# Altium PCB StEth32_V2.PcbDoc (part 1 of 2)
Units mm, origin at the board's own origin, x right, y up, seen from the top; angles counter-clockwise.
Board outline 75 x 50 mm, 2 copper layers (Top Layer, Bottom Layer), stack 1.571 mm thick; 111 components, 99 nets, 428 pads, 172 vias.
Unrouted connection lines stored in the file: 4.
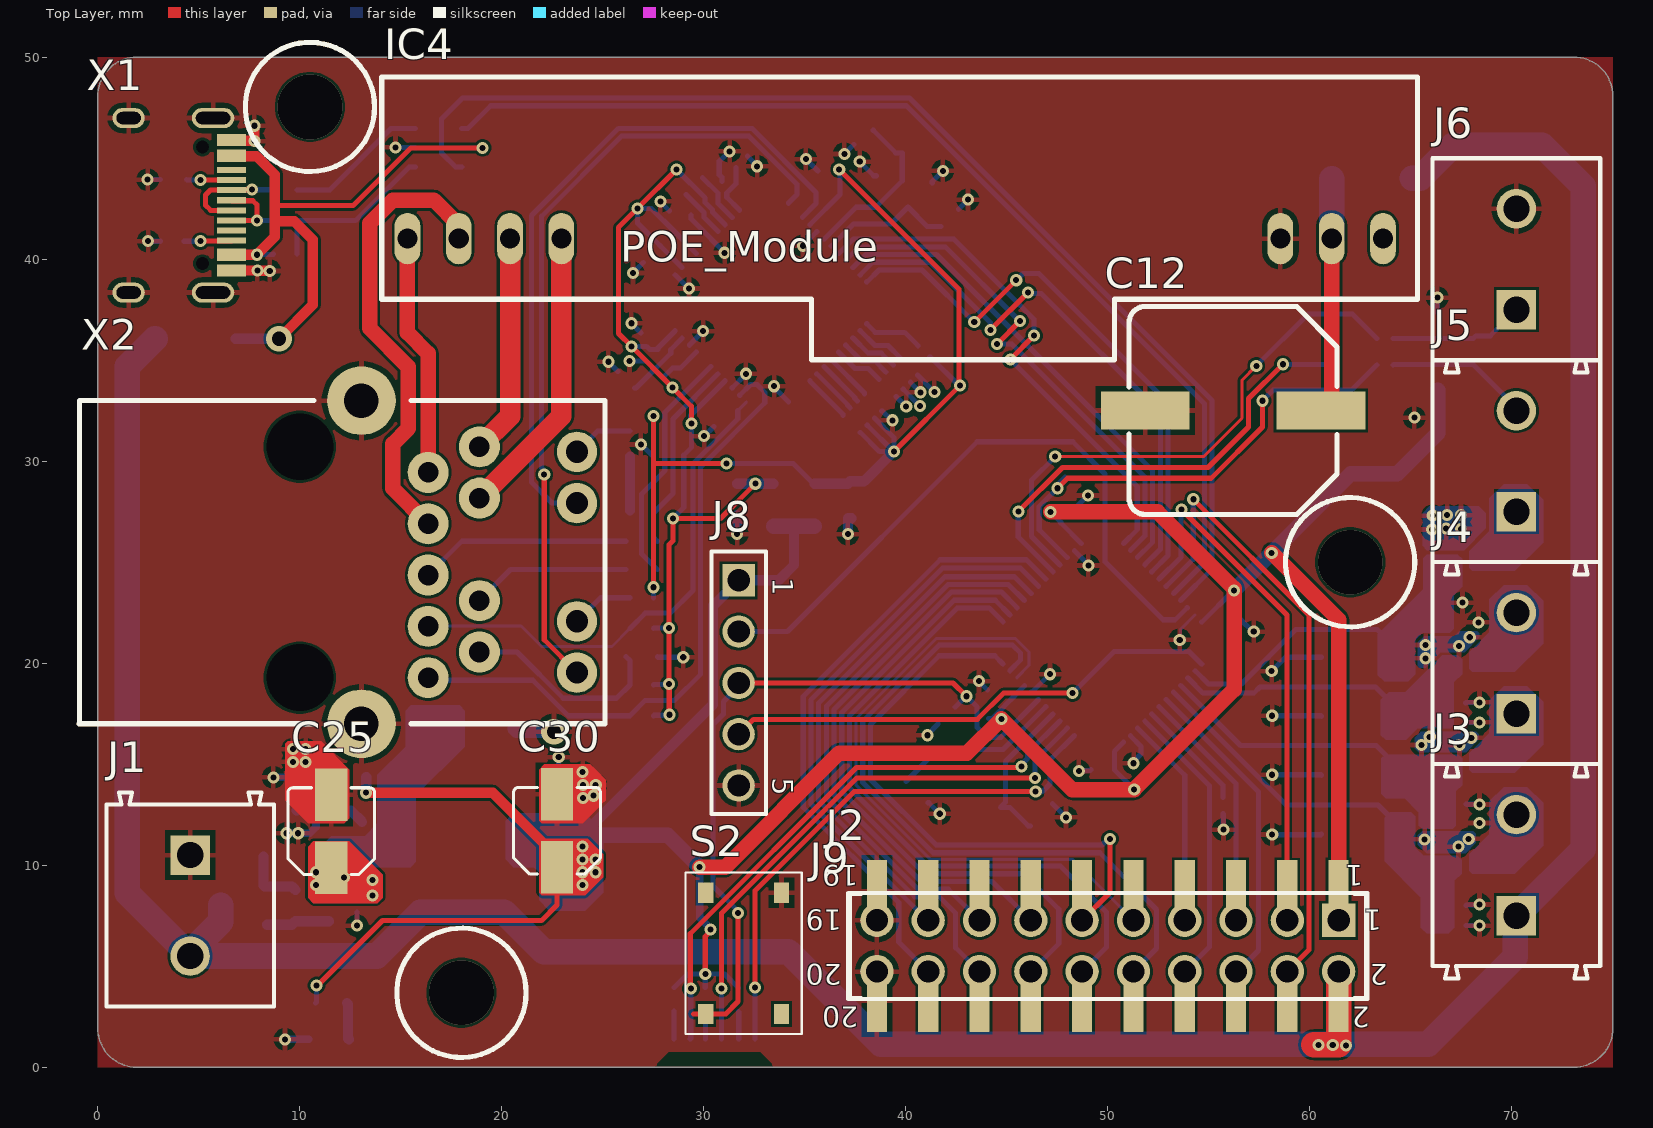
[diagram p0: Top Layer view]
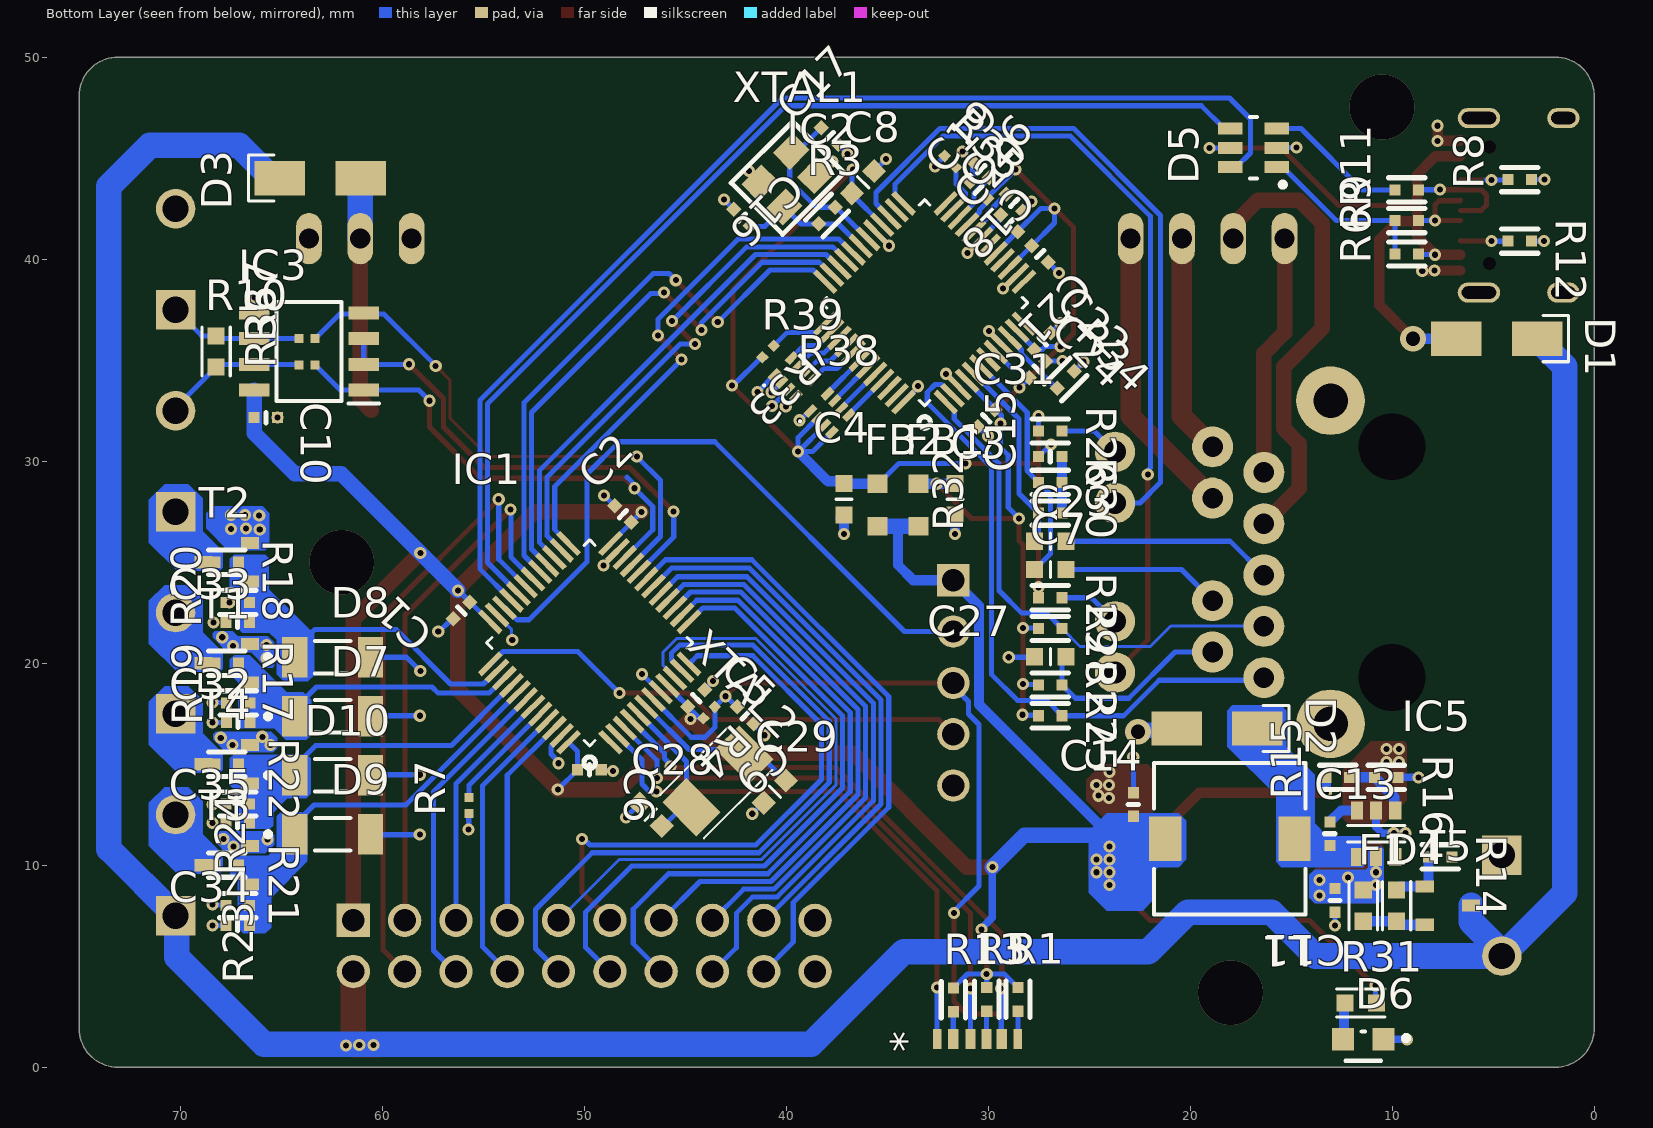
[diagram p1: Bottom Layer view, seen from below]
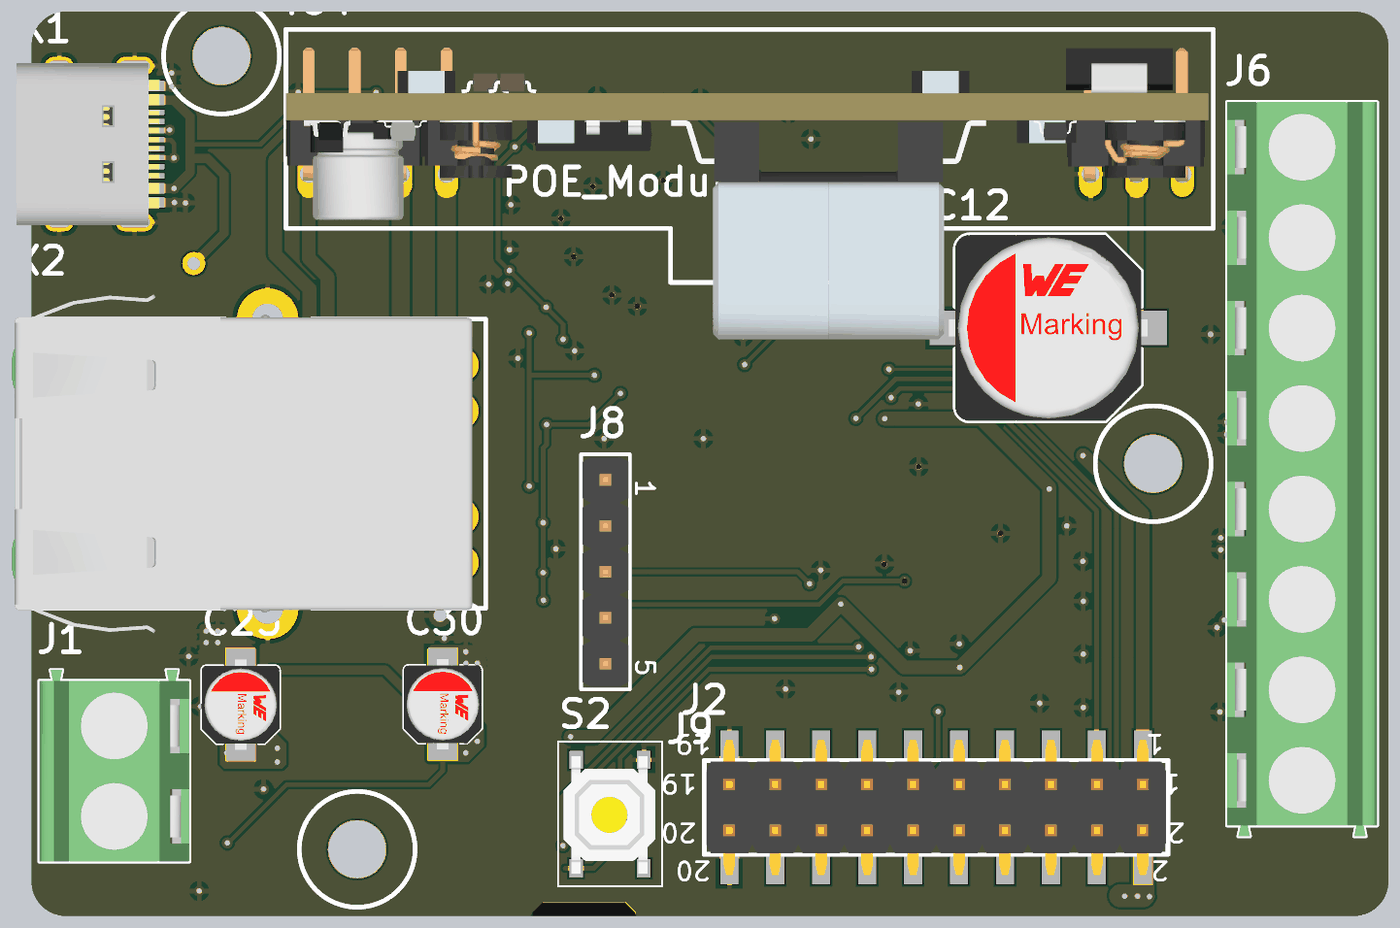
[diagram p3: 3D render of the assembled board from above, using the file's embedded part models]
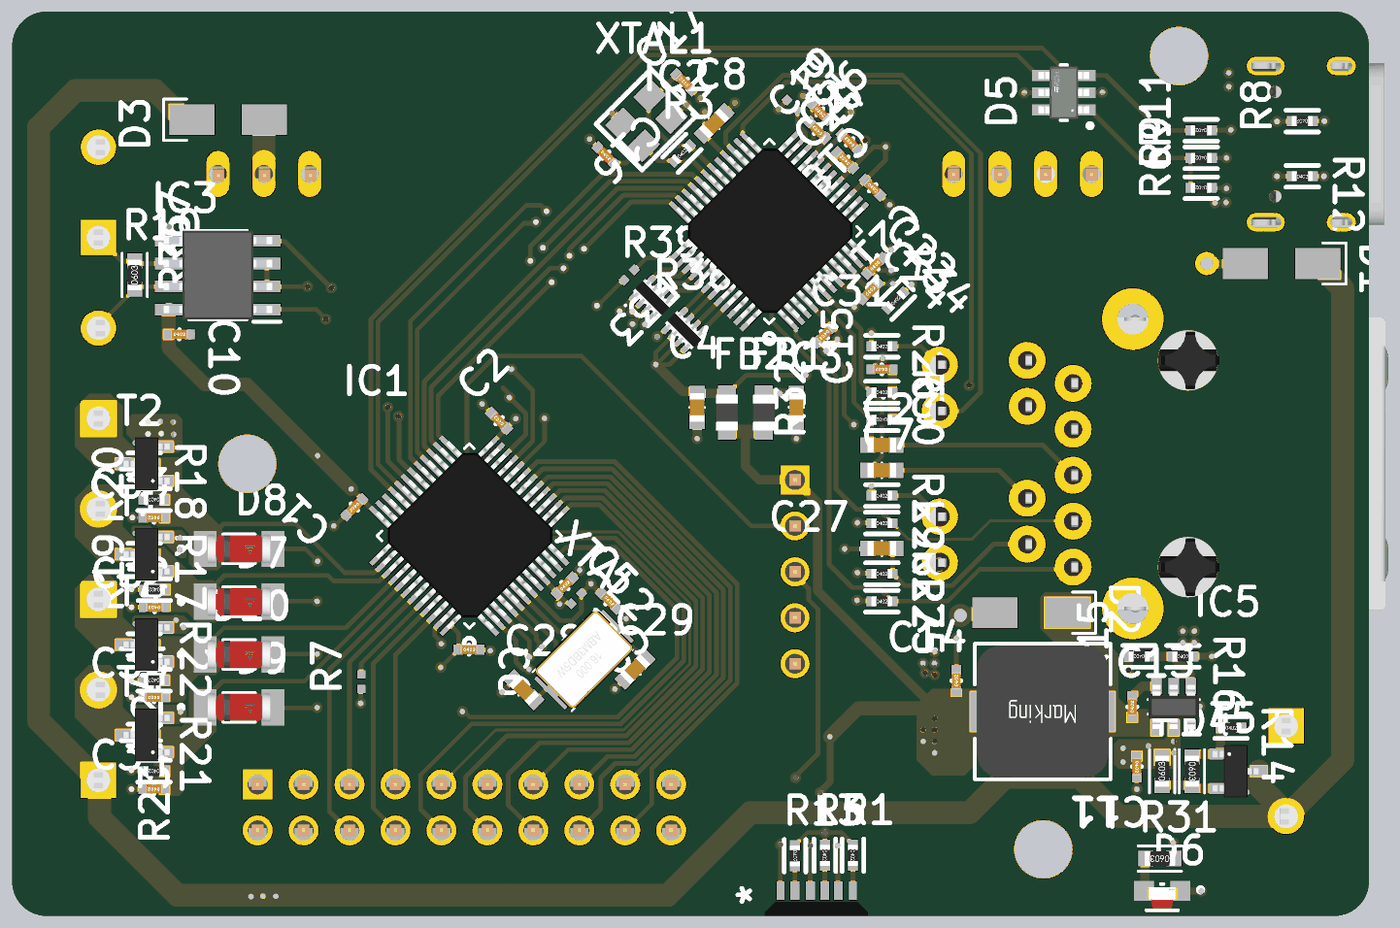
[diagram p4: 3D render of the assembled board from below, using the file's embedded part models]

## Layer stack, top to bottom
Top Solder: solder mask 0.0102, Solder Resist, Dk 3.5
Top Layer: signal copper 0.0356
Dielectric 1: dielectric 1.5, FR-4, Dk 4.8
Bottom Layer: signal copper 0.0356
Bottom Solder: solder mask 0.0102, Solder Resist, Dk 3.5

## Board outline
0,1.905 ccw(c1.905,1.905) 1.905,0 73.095,0 ccw(c73.095,1.905) 75,1.905 75,48.095 ccw(c73.095,48.095) 73.095,50 1.905,50 ccw(c1.905,48.095) 0,48.095

## Design rules (kind name [scope] priority, off if disabled: settings)
Clearance [All] p1: gap=0.127 ignorepadtopadclearanceinfootprint=TRUE except(0: Arc-Hole Track-Hole SMDPad-Hole THPad-Hole Via-Hole Fill-Hole Poly-Hole Region-Hole Text-Hole)
HoleSize [All] p1: absolutevalues=TRUE maxlimit=3.81 minlimit=0.025 maxpercent=80.000 minpercent=20.000
MinimumSolderMaskSliver [All] p1: minsoldermaskwidth=0.051
PolygonConnect [All] p1: connectstyle=Relief reliefconductorwidth=0.254 reliefentries=4 polygonreliefangle="90 Angle" airgapwidth=0.254
RoomDefinition StEth32_µC [InComponentClass('StEth32_µC')] p1: confinementstyle=ConfineIn formatcopy=TRUE lockcomponents=FALSE outline -42.037,-37.846 8.763,-37.846 8.763,-12.446 -42.037,-12.446
RoomDefinition StEth32_W5500 [InComponentClass('StEth32_W5500')] p2: confinementstyle=ConfineIn formatcopy=TRUE lockcomponents=FALSE outline -42.037,-37.846 8.763,-37.846 8.763,-12.446 -42.037,-12.446
RoomDefinition StEth32_Power [InComponentClass('StEth32_Power')] p3: confinementstyle=ConfineIn formatcopy=TRUE lockcomponents=FALSE outline -42.037,-37.846 8.763,-37.846 8.763,-12.446 -42.037,-12.446
RoutingVias [All] p1: holewidth=0.711 width=1.27 viastyle="Through Hole" minholewidth=0.711 minwidth=1.27 maxholewidth=0.711 maxwidth=1.27
SilkToSilkClearance [All] p1: silktosilkclearance=0.127
SilkToSolderMaskClearance [IsPad] p1: minsilkscreentomaskgap=0.025 clearancetoexposedcopper=TRUE
SolderMaskExpansion [All] p1: expansion=0.051 istentingtop=FALSE
Width [All] p1: maxlimit=1.27 minlimit=0.152 preferedwidth=0.254 minimp=50.000000 maximp=50.000000 favimp=50.000000
26 further rules are at their usual default settings.

## Classes and differential pairs
component class StEth32_µC: * C1 C2 C5 C6 C9 C10 C28 C29 D5 IC1 IC3 J8 LED1 R1 R4 R5 R6 R7 R8 R9 R11 R12 R13 R36 R37 S2 X1 XTAL2
component class StEth32_W5500: C3 C4 C7 C8 C12 C15 C16 C17 C18 C19 C20 C21 C22 C23 C24 C26 C27 C31 FB1 FB2 IC2 IC4 R3 R25 R26 R27 R28 R29 R30 R32 R33 R34 R35 R38 R39 X2 XTAL1
component class StEth32_Power: C11 C13 C14 C25 C30 C32 C33 C34 C35 D1 D2 D3 D4 D6 D7 D8 D9 D10 F1 IC5 J1 J2 J3 J4 J5 J6 J9 L1 LED2 R10 R14 R15 R16 R17 R18 R19 R20 R21 R22 R23 R24 R31 T1 T2 T3 T4 T5

## Components (designator, comment, footprint, x,y, rotation, side; value= is the part's Value field where it differs from the comment)
* "99-235/RSGBB7C-A22/2D" 99-235/RSGBB7C-A22/2D 30.48,1.397 r0 bottom
C1 "0.10µF" SMD-0402C#1 56.083,22.606 r45 bottom
C2 "0.10µF" SMD-0402C#1 48.082,27.381 r135 bottom
C3 "22µF" SMD-0603C 31.648,28.118 r180 bottom
C4 "22µF" SMD-0603C 37.135,28.118 r180 bottom
C5 "0.10µF" SMD-0402C#1 44.45,18.263 r225 bottom
C6 "0.10µF" SMD-0402C#1 49.741,14.725 r270 bottom
C7 "6800pF" SMD-0603C 26.924,24.638 r90 bottom
C8 "22uF" SMD-0603C 36.195,43.815 r45 bottom
C9 "0.10µF" SMD-0402C#1 42.012,17.424 r315 bottom
C10 "0.10µF" SMD-0402C#1 65.761,32.156 r270 bottom
C11 "0.10µF" SMD-0402C#1 12.827,8.255 r0 bottom
C12 "865080457015" WCAP-ASLI_10x10.5 56.204,32.512 r0 top locked value=470uF
C13 "0.022µF" SMD-0402C#1 13.081,11.557 r180 bottom
C14 "0.10µF" SMD-0402C#1 22.809,13.005 r180 bottom
C15 "0.10µF" SMD-0402C#1 26.924,30.226 r90 bottom
C16 "22pF" SMD-0402C#1 42.189,42.062 r315 bottom
C17 "22pF" SMD-0402C#1 37.846,46.101 r135 bottom
C18 "10nF" SMD-0402C#1 30.353,44.45 r315 bottom
C19 "0.10µF" SMD-0402C#1 30.48,43.434 r135 bottom
C20 "0.10µF" SMD-0402C#1 28.956,41.783 r135 bottom
C21 "0.10µF" SMD-0402C#1 27.432,40.259 r315 bottom
C22 "0.10µF" SMD-0402C#1 27.305,35.941 r225 bottom
C23 "6800pF" SMD-0603C 26.924,26.035 r90 bottom
C24 "0.10µF" SMD-0402C#1 27.559,34.544 r225 bottom
C25 "865080140001" WCAP-ASLI_4x5.5 11.557,11.684 r270 top value=22uF
C26 "4.7µF" SMD-0402C#1 28.702,42.799 r135 bottom
C27 "22nF" SMD-0603C 26.924,20.32 r90 bottom
C28 "20pF" SMD-0603C 46.711,12.497 r135 bottom
C29 "20pF" SMD-0603C 40.564,13.64 r45 bottom
C30 "865080140001" WCAP-ASLI_4x5.5 22.733,11.706 r270 top value=22uF
C31 "0.10µF" SMD-0402C#1 30.099,32.131 r45 bottom
C32 "0.10µF" SMD-0402C#1 67.132,17.069 r90 bottom
C33 "0.10µF" SMD-0402C#1 67.158,22.022 r90 bottom
C34 "0.10µF" SMD-0402C#1 67.158,7.01 r90 bottom
C35 "0.10µF" SMD-0402C#2 67.158,12.09 r90 bottom
D1 "SS34" B240A 4.826,36.068 r180 bottom
D2 "SS34" B240A 18.669,16.764 r180 bottom
D3 "SS34" B240A 63.068,44.018 r0 bottom
D4 "BZM55" SMD-0603-RES 9.779,8.001 r0 bottom
D5 "USBLC6-2SC6Y" SOT23-6#1 16.866,45.517 r90 bottom
D6 "LTST-S270KRKT" FP-LTST-S270KRKT-MFG 11.43,1.143 r0 bottom
D7 "LL4448-GS08" FP-6_560-5005_01-4-MFG 62.459,17.374 r180 bottom value=4pF
D8 "LL4448-GS08" FP-6_560-5005_01-4-MFG 62.459,20.295 r180 bottom value=4pF
D9 "LL4448-GS08" FP-6_560-5005_01-4-MFG 62.459,11.532 r180 bottom value=4pF
D10 "LL4448-GS08" FP-6_560-5005_01-4-MFG 62.459,14.453 r180 bottom value=4pF
F1 "0R" SMD-0603-RES 11.43,8.001 r180 bottom
FB1 "600Ohm, 0.2A" "WE-CBF_0805_High Speed" 33.449,27.833 r90 bottom
FB2 "600Ohm, 0.2A" "WE-CBF_0805_High Speed" 35.481,27.833 r90 bottom
IC1 "STM32F072C8U6" LQFP-48 49.733,21.006 r45 bottom
IC2 "W5500" LQFP-48 33.147,37.846 r45 bottom
IC3 "MAX485" SOIC127P600X175-8N 63.627,35.433 r0 bottom
IC4 "POE_Module" POE_Module 15.327,41.021 r0 top locked
IC5 "ACT4088" SOT23-6#2 10.795,11.557 r180 bottom
J1 "691213710002" 691213710002 4.572,8.001 r270 top
J2 "61002021121" 61002021121 50,6 r180 top locked
J3 "691213710002" 691213710002 70.231,10 r90 top
J4 "691213710002" 691213710002 70.231,20 r90 top
J5 "691213710002" 691213710002 70.231,30 r90 top
J6 "691213710002" 691213710002 70.231,40 r90 top
J8 "61300511121" 61300511121 31.725,19.025 r270 top
J9 "61302021121" 61302021121 50,6 r180 top locked
L1 "744778004" WE-PD-S 18.034,11.303 r0 bottom
R1 "1k" SMD-0402-RES 28.524,3.353 r0 bottom
R3 "1M" SMD-0402-RES 37.973,42.164 r225 bottom
R4 "ERT-J0EG103FA" RESC1005X40X25LL05T05 43.815,17.551 r315 bottom
R5 "1k" SMD-0402-RES 30.074,3.353 r0 bottom
R6 "4.7k" SMD-0402-RES 9.271,40.259 r90 bottom
R7 "ERT-J0EG103FA" RESC1005X40X25LL05T05 55.702,12.954 r90 bottom
R8 "5.1k" SMD-0402-RES 3.683,43.942 r90 bottom
R9 "20" SMD-0402-RES 9.271,41.91 r90 bottom
R10 "120R" SMD-0603-RES 68.224,35.433 r180 bottom
R11 "20" SMD-0402-RES 9.271,43.434 r90 bottom
R12 "5.1k" SMD-0402-RES 3.683,40.894 r270 bottom
R13 "1k" SMD-0402-RES 31.725,3.327 r0 bottom
R14 "100k" SMD-0402-RES 7.62,10.414 r270 bottom
R15 "47k" SMD-0402-RES 12.7,14.351 r90 bottom
R16 "15k" SMD-0402-RES 10.287,14.351 r270 bottom
R17 "0.0" SMD-0402-RES 67.698,20 r270 bottom
R18 "4.7k" SMD-0402-RES 67.698,25 r270 bottom
R19 "4.7k" SMD-0402-RES 67.132,18.034 r90 bottom
R20 "4.7k" SMD-0402-RES 67.158,23.012 r90 bottom
R21 "4.7k" SMD-0402-RES 67.698,10 r270 bottom
R22 "4.7k" SMD-0402-RES 67.698,15 r270 bottom
R23 "4.7k" SMD-0402-RES 67.158,8.001 r90 bottom
R24 "4.7k" SMD-0402-RES 67.158,13.03 r90 bottom
R25 "49.9" SMD-0402-RES 26.924,17.399 r270 bottom
R26 "470" SMD-0402-RES 26.924,31.496 r270 bottom
R27 "10" SMD-0402-RES 26.924,18.923 r270 bottom
R28 "49.9" SMD-0402-RES 26.924,21.717 r270 bottom
R29 "470" SMD-0402-RES 26.924,23.241 r270 bottom
R30 "49.9" SMD-0402-RES 26.924,28.956 r270 bottom
R31 "1k" SMD-0603-RES 11.557,3.175 r90 bottom
R32 "49.9" SMD-0402-RES 26.924,27.432 r90 bottom
R33 "ERT-J0EG103FA" RESC1005X40X25LL05T05 40.894,35.433 r315 bottom
R34 "12.4k" SMD-0402-RES 26.162,34.036 r225 bottom
R35 "ERT-J0EG103FA" RESC1005X40X25LL05T05 31.877,44.831 r225 bottom
R36 "ERJ2GE0R00X" RESC1005X40X25LL05T05 63.729,34.773 r0 bottom
R37 "ERJ2GE0R00X" RESC1005X40X25LL05T05 63.729,36.068 r0 bottom
R38 "EXB-28V103JX" PNSC-EXB-28V103JX_L 37.846,32.385 r135 bottom
R39 "EXB-28V103JX" PNSC-EXB-28V103JX_L 39.624,34.163 r135 bottom
S2 "Reset" Button5050 33.849,8.636 r270 top
T1 "AO3400" SOT23 67.698,20 r270 bottom
T2 "AO3400" SOT23 67.698,25 r270 bottom
T3 "AO3400" SOT23 67.698,10 r270 bottom
T4 "AO3400" SOT23 67.698,15 r270 bottom
T5 "AO3401" SOT23 7.239,8.001 r90 bottom
X1 "USB-C" USB-C 1.524,42.672 r270 top locked
X2 "HR971169C" HR971169C 10,25 r90 top
XTAL1 "Crystal" 3225 41.307,43.783 r135 bottom
XTAL2 "Crystal 5032" 5032 43.383,14.173 r135 bottom

## Footprints (in the part's own frame and the unit in brackets; to place one, negate y for a bottom-side part, rotate by r counter-clockwise, add the part's x,y. Pads: shape width x height; smd on the part's side, far side on the other; paste and mask are expansions set on the pad)
99-235/RSGBB7C-A22/2D [mm]
  rect 0.42x1 smd: 1(-1.95,0) 6(2.05,0)
  rect 0.5x1 smd: 2(-1.15,0) 3(-0.4,0) 4(0.4,0) 5(1.25,0)
3225 [mm] "Quarz 3225"
  rect 1.4x1.2 smd: 1(0,-1.7) 2(2.2,-1.7) 3(2.2,0) 4(0,0)
  silkscreen extent -1,-2.6 3.3,1
5032 [mm]
  rect 1.7x2.4 smd: 1(-1.85,0) 2(1.85,0)
  silkscreen extent -2.5,-1.52 2.29,1.52, body extent -2.5,-1.6 2.5,1.6, height 1.31
61002021121 [mm] "Pin Header, pitch 2.54 mm, SMD, Vertical, dual row, 20p"
  rect 1x3.1 smd: 1(-11.43,-2.7) 2(-11.43,2.7) 3(-8.89,-2.7) 4(-8.89,2.7) 5(-6.35,-2.7) 6(-6.35,2.7) 7(-3.81,-2.7) 8(-3.81,2.7) 9(-1.27,-2.7) 10(-1.27,2.7) 11(1.27,-2.7) 12(1.27,2.7) 13(3.81,-2.7) 14(3.81,2.7) 15(6.35,-2.7) 16(6.35,2.7) 17(8.89,-2.7) 18(8.89,2.7) 19(11.43,-2.7) 20(11.43,2.7)
  silkscreen extent -12.78,-2.56 12.78,2.57, body extent -12.7,-3.75 12.7,3.75, height 9.62
61300511121 [mm] "Pin Header, pitch 2.54 mm, THT, Vertical, single row, 5p"
  rect 1.6x1.6 hole 1.1: 1(-5.08,0)
  round 1.6 hole 1.1: 2(-2.54,0) 3(0,0) 4(2.54,0) 5(5.08,0)
  silkscreen extent -6.5,-1.35 6.5,1.35, body extent -6.35,-1.27 6.35,1.27, height 8.57
61302021121 [mm] "Pin Header, pitch 2.54 mm, THT, Vertical, dual row, 20p"
  rect 1.65x1.65 hole 1.1: 1(-11.43,-1.27)
  round 1.65 hole 1.1: 2(-11.43,1.27) 3(-8.89,-1.27) 4(-8.89,1.27) 5(-6.35,-1.27) 6(-6.35,1.27) 7(-3.81,-1.27) 8(-3.81,1.27) 9(-1.27,-1.27) 10(-1.27,1.27) 11(1.27,-1.27) 12(1.27,1.27) 13(3.81,-1.27) 14(3.81,1.27) 15(6.35,-1.27) 16(6.35,1.27) 17(8.89,-1.27) 18(8.89,1.27) 19(11.43,-1.27) 20(11.43,1.27)
  silkscreen extent -12.85,-2.62 12.85,2.62, body extent -12.7,-2.54 12.7,2.54, height 8.59
691213710002 [mm] "5,00mm - modular - green - Horizontal entry with rising cage clamp -  10,0mm height - 02p"
  rect 1.95x1.95 hole 1.3: 1(-2.5,0)
  round 1.95 hole 1.3: 2(2.5,0)
  silkscreen extent -5.6,-4.15 5,4.15, body extent -5.6,-4.15 5,4.15, height 10.05
B240A [mm]
  rect 2.5x1.7 smd: A(-2,0) K(2,0)
  silkscreen extent 2.29,-1.14 3.56,1.14, body extent -2.03,-0.89 2.03,0.89, height 1.52
Button5050 [mm]
  rect 1x0.75 smd: 1(0,0) 2(6,-3.75) 3(0,-3.75) 4(6,0)
  silkscreen extent -1,-4.75 7,1, body extent -0.2,-4.44 6.3,0.64, height 1.52
FP-6_560-5005_01-4-MFG [mm]
  rect 1.25x2 smd paste+0 mask+0: 1(-1.875,0) 2(1.875,0)
  silkscreen extent -3.33,-0.8 0.87,0.8, body extent -1.75,-0.8 1.75,0.8, height 1.6
FP-LTST-S270KRKT-MFG [mm]
  rect 1.1x1.1 smd paste+0 mask+0: 1(-1,-0.235) 2(1,-0.235)
  silkscreen extent -2.25,-0.63 0.87,0.82, body extent -0.82,-0.44 0.82,0.71, height 0.6
HR971169C [mm]
  round 0 hole 3.31: 0(-5.715,0) 0(5.715,0)
  round 2.032 hole 1.016: 1(-5.715,-6.35) 2(-4.445,-8.89) 3(-3.175,-6.35) 4(-1.905,-8.89) 5(-0.635,-6.35) 7(1.905,-6.35) 8(4.445,-6.35) 9(3.175,-8.89) 10(5.715,-8.89)
  round 2 hole 1.1: 11(-5.465,-13.72) 12(-2.925,-13.72) 13(2.925,-13.72) 14(5.465,-13.72)
  round 3.4 hole 1.71: 15(-8,-3.05) 15(8,-3.05)
  silkscreen extent -8,-15.1 8,10.92, body extent -9.37,-14.38 9.37,11.07, height 15.16
LQFP-48 [mil] "LQFP 48 Pins"
  rect 58x11 smd: 1(-166,108) 2(-166,89) 3(-166,69) 4(-166,49) 5(-166,30) 6(-166,10) 7(-166,-10) 8(-166,-30) 9(-166,-49) 10(-166,-69) 11(-166,-89) 12(-166,-108) 25(166,-108) 26(166,-89) 27(166,-69) 28(166,-49) 29(166,-30) 30(166,-10) 31(166,10) 32(166,30) 33(166,49) 34(166,69) 35(166,89) 36(166,108)
  rect 11x58 smd: 13(-108,-166) 14(-89,-166) 15(-69,-166) 16(-49,-166) 17(-30,-166) 18(-10,-166) 19(10,-166) 20(30,-166) 21(49,-166) 22(69,-166) 23(89,-166) 24(108,-166) 37(108,166) 38(89,166) 39(69,166) 40(49,166) 41(30,166) 42(10,166) 43(-10,166) 44(-30,166) 45(-49,166) 46(-69,166) 47(-89,166) 48(-108,166)
  silkscreen extent -176,-142 142,176, body extent -177,-180 177,175, height 58
PNSC-EXB-28V103JX_L [mm] "Chip Array, ConvexE, 8-Leads, Pitch 0.50mm,  Body 2.10x1.10mm,  IPC High Density"
  rect 0.65x0.35 smd: 1(-0.6,0.75) 4(-0.6,-0.75) 5(0.6,-0.75) 8(0.6,0.75)
  rect 0.65x0.3 smd: 2(-0.6,0.25) 3(-0.6,-0.25) 6(0.6,-0.25) 7(0.6,0.25)
  silkscreen extent -1.37,0.7 -1.28,0.8, body extent -0.6,-1.05 0.6,1.05, height 0.45
POE_Module [mm]
  oval 1.27x2.54 hole 1: 1(0,0) 2(2.54,0) 3(5.08,0) 4(7.62,0) 5(43.22,0) 6(45.76,0) 7(48.3,0)
  silkscreen extent -1.27,-6 50,8, body extent -1.27,-9.14 49.73,7, height 14
RESC1005X40X25LL05T05 [mm] "Chip Resistor, 2-Leads, Body 1.00x0.50mm, IPC High Density"
  rect 0.45x0.45 smd: 1(-0.4,0) 2(0.4,0)
  body extent -0.53,-0.27 0.53,0.28, height 0.4
SMD-0402-RES [mm]
  rect 0.55x0.55 smd: 1(0,0.584) 2(0,-0.584)
  silkscreen extent -0.6,-0.9 0.6,0.9, body extent -0.27,-0.57 0.28,0.58, height 0.41
SMD-0402C#1 [mm]
  rect 0.55x0.55 smd: 1(0,0.584) 2(0,-0.584)
  silkscreen extent -0.25,0 0.25,0, body extent -0.25,-0.51 0.25,0.51, height 0.51
SMD-0402C#2 [mm]
  rect 0.55x0.55 smd: 2(0,-0.584) +(0,0.584)
  silkscreen extent -0.25,0 0.25,0, body extent -0.25,-0.51 0.25,0.51, height 0.51
SMD-0603-RES [mm]
  rect 0.85x0.85 smd: 1(0,0.775) 2(0,-0.775)
  silkscreen extent -0.7,-1.2 0.7,1.2, body extent -0.4,-0.85 0.4,0.85, height 0.56
SMD-0603C [mm]
  rect 0.85x0.85 smd: 1(0,0.775) 2(0,-0.775)
  silkscreen extent -0.4,0 0.4,0, body extent -0.4,-0.8 0.4,0.8, height 0.9
SOIC127P600X175-8N [mm]
  rect 1.525x0.65 smd: 1(-2.712,1.905) 2(-2.712,0.635) 3(-2.712,-0.635) 4(-2.712,-1.905) 5(2.712,-1.905) 6(2.712,-0.635) 7(2.712,0.635) 8(2.712,1.905)
  silkscreen extent -3.47,-2.45 1.6,2.58, body extent -3,-2.45 3,2.45, height 1.75
SOT23 [mm]
  rect 0.6x0.9 smd: D(0,-1.15) G(0.95,1.15) S(-0.95,1.15)
  body extent -1.45,-1.17 1.45,1.43, height 1
SOT23-6#1 [mm]
  rect 0.6x1.2 smd paste+0 mask+0: 1(-0.95,-1.15) 2(0,-1.15) 3(0.95,-1.15) 4(0.95,1.15) 5(0,1.15) 6(-0.95,1.15)
  silkscreen extent -1.95,-1.57 1.53,0.18, body extent -1.45,-1.4 1.45,1.4, height 1.3
SOT23-6#2 [mm]
  rect 0.6x0.9 smd: 1(-0.95,-1.15) 2(0,-1.15) 3(0.95,-1.15) 4(0.95,1.15) 5(0,1.15) 6(-0.95,1.15)
  silkscreen extent -1.42,-0.4 1.42,0.4, body extent -1.4,-1.21 1.4,1.21, height 1.09
USB-C [mm] "USB-C Buchse"
  round 0 hole 0.65: 1(-2.89,3.65) 1(2.89,3.65)
  rect 0.3x1.45 smd: CC1(-1.25,5.095) CC2(1.75,5.095) DN(-0.75,5.095) DN(0.25,5.095) DP(-0.25,5.095) DP(0.75,5.095) SBU1(-1.75,5.095) SBU2(1.25,5.095)
  oval 1x2.1 hole 0.6 slot 1.7 at 90 deg: GND(-4.32,4.18) GND(4.32,4.18)
  oval 1x1.6 hole 0.6 slot 1.2 at 90 deg: GND(-4.32,0) GND(4.32,0)
  rect 0.6x1.45 smd: GND(-3.225,5.095) GND(3.225,5.095) VBUS(-2.45,5.095) VBUS(2.45,5.095)
  body extent -4.47,-2.35 4.47,5.55, height 3.21
WCAP-ASLI_4x5.5 [mm] "Aluminium Electrolytic V-Chip SMT Capacitors, §¶4x5.5mm"
  rect 2.6x1.6 smd: 1(1.8,0) 2(-1.8,0)
  silkscreen extent -2.15,-2.15 2.15,2.15, body extent -2.5,-2.15 2.5,2.15, height 5.5
WCAP-ASLI_10x10.5 [mm] "Aluminium Electrolytic V-Chip SMT Capacitors, §¶10x10.5mm"
  rect 4.4x1.9 smd: 1(4.35,0) 2(-4.35,0)
  silkscreen extent -5.15,-5.15 5.15,5.15, body extent -5.5,-5.15 5.5,5.15, height 10.5
"WE-CBF_0805_High Speed" [mm] "SMD EMI Suppression Ferrite  Bead, body 2x1.2mm"
  rect 0.9x1 smd: 1(-1.05,0) 2(1.05,0)
  body extent -1,-0.6 1,0.6, height 0.9
WE-PD-S [mm] "SMD Inductor, 2-Leads, Body 7.3 x 7.3 mm"
  rect 1.6x2.2 smd: 1(-3.2,0) 2(3.2,0)
  silkscreen extent -3.75,-3.75 3.75,3.75, body extent -3.65,-3.65 3.65,3.65, height 3.19
